# KiCad board spleeb.kicad_pcb (continued)
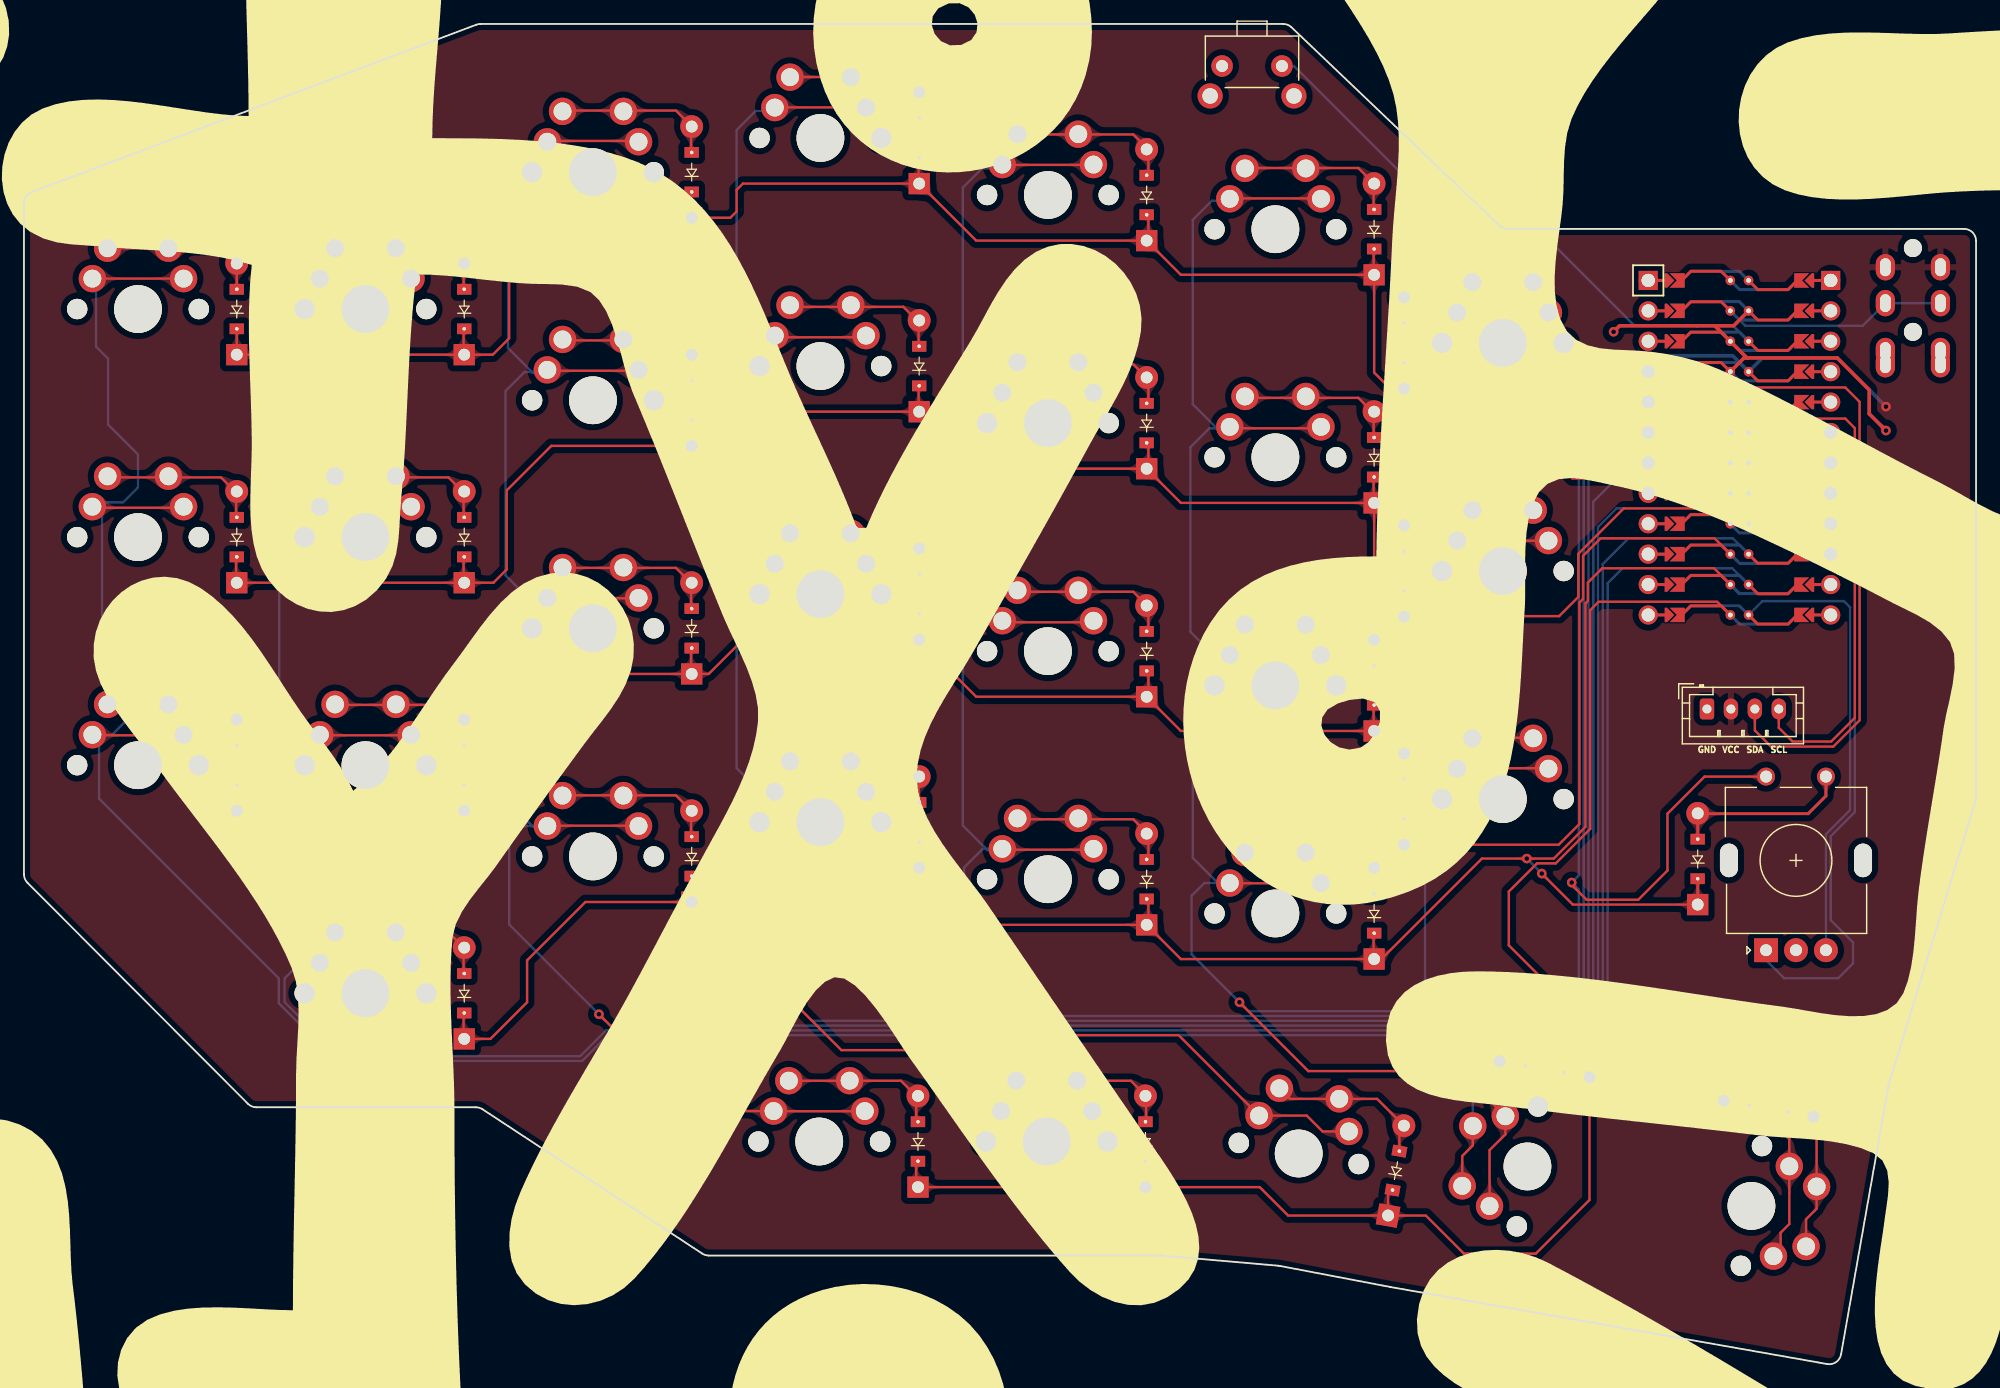
[diagram p0: board, top side]
## Copper pours and planes (outline as drawn; the poured copper is in the pictures) (continued)
outer_number on Top: 17.88,90.03 17.89,90.25 17.92,90.44 17.98,90.59 18.05,90.72 18.13,90.83 18.23,90.94 18.33,91.06 18.43,91.19 18.53,91.33 18.63,91.52 17.78,92.41 16.92,91.52 17.02,91.33 17.12,91.19 17.22,91.06 17.32,90.94 17.42,90.83 17.5,90.72 17.57,90.59 17.63,90.44 17.66,90.25 17.68,90.03
outer_top on Top: 16.34,73.96 16.54,73.94 16.68,73.87 16.76,73.76 16.8,73.62 16.81,73.46 16.81,73.27 16.81,73.08 16.81,72.87 16.85,72.67 16.91,72.47 18.15,72.58 17.78,73.83 17.6,73.84 17.45,73.87 17.32,73.9 17.2,73.95 17.09,74 16.97,74.05 16.85,74.09 16.71,74.13 16.54,74.15 16.34,74.16
outer_top on Top: 9.78,73.96 10.06,73.95 10.29,73.9 10.48,73.84 10.64,73.75 10.78,73.65 11.06,73.42 11.23,73.31 11.42,73.19 11.65,73.09 12.63,74.2 11.49,75.14 11.28,75 11.11,74.87 10.97,74.73 10.84,74.6 10.72,74.48 10.59,74.38 10.44,74.29 10.26,74.22 10.05,74.18 9.78,74.16
outer_top on Top: 14.3,74.16 14.04,74.18 13.83,74.22 13.66,74.29 13.51,74.38 13.39,74.49 13.27,74.6 13.15,74.73 13.01,74.87 12.85,75 12.65,75.14 11.5,74.2 12.48,73.08 12.7,73.19 12.89,73.3 13.05,73.42 13.32,73.64 13.46,73.75 13.62,73.83 13.8,73.9 14.02,73.95 14.3,73.96
outer_top on Top: 17.83,70.97 17.84,71.19 17.87,71.38 17.93,71.53 18,71.65 18.08,71.76 18.18,71.87 18.28,71.98 18.39,72.1 18.5,72.25 18.61,72.42 17.8,73.36 16.9,72.51 16.99,72.32 17.09,72.16 17.18,72.03 17.28,71.91 17.37,71.8 17.45,71.68 17.52,71.55 17.58,71.39 17.61,71.2 17.63,70.97
outer_top on Top: 9.22,74.16 8.96,74.18 8.75,74.22 8.58,74.29 8.43,74.38 8.31,74.49 8.19,74.6 8.07,74.73 7.93,74.87 7.77,75 7.57,75.14 6.42,74.2 7.4,73.08 7.62,73.19 7.81,73.3 7.97,73.42 8.24,73.64 8.38,73.75 8.54,73.83 8.72,73.9 8.94,73.95 9.22,73.96
pinky_bottom on Top: 33.3,36.16 33.03,36.18 32.81,36.22 32.64,36.29 32.49,36.38 32.35,36.48 32.23,36.6 32.09,36.72 31.95,36.84 31.77,36.97 31.55,37.08 30.49,36.05 31.57,35.03 31.78,35.15 31.96,35.27 32.11,35.4 32.24,35.52 32.36,35.64 32.49,35.74 32.64,35.83 32.82,35.9 33.03,35.95 33.3,35.96
pinky_bottom on Top: 36.83,32.89 36.84,33.11 36.87,33.29 36.93,33.44 37,33.56 37.09,33.67 37.18,33.78 37.29,33.89 37.39,34.01 37.5,34.15 37.61,34.32 36.8,35.26 35.9,34.41 35.99,34.22 36.08,34.07 36.18,33.94 36.28,33.82 36.37,33.71 36.45,33.59 36.52,33.46 36.58,33.3 36.61,33.12 36.63,32.89
pinky_bottom on Top: 28.22,36.16 27.95,36.18 27.73,36.22 27.56,36.29 27.41,36.38 27.27,36.48 27.15,36.6 27.01,36.72 26.87,36.84 26.69,36.97 26.47,37.08 25.41,36.05 26.49,35.03 26.7,35.15 26.88,35.27 27.03,35.4 27.16,35.52 27.28,35.64 27.41,35.74 27.56,35.83 27.74,35.9 27.95,35.95 28.22,35.96
pinky_bottom on Top: 28.77,35.96 29.05,35.95 29.27,35.9 29.45,35.83 29.6,35.75 29.74,35.64 29.87,35.53 30.01,35.4 30.16,35.28 30.34,35.15 30.56,35.03 31.64,36.05 30.58,37.08 30.35,36.96 30.17,36.84 30.02,36.71 29.88,36.59 29.75,36.48 29.61,36.37 29.45,36.29 29.27,36.22 29.05,36.18 28.77,36.16
pinky_bottom on Top: 35.39,35.96 35.59,35.94 35.72,35.87 35.8,35.76 35.84,35.62 35.84,35.45 35.83,35.26 35.82,35.06 35.81,34.85 35.83,34.65 35.88,34.44 37.12,34.45 36.78,35.73 36.6,35.75 36.45,35.78 36.33,35.83 36.22,35.88 36.11,35.95 36,36.01 35.89,36.07 35.75,36.12 35.59,36.15 35.39,36.16
pinky_col on Top: 26.95,52.62 26.68,52.64 26.47,52.68 26.3,52.75 26.15,52.84 26.02,52.94 25.9,53.06 25.77,53.19 25.63,53.32 25.46,53.45 25.25,53.57 24.14,52.58 25.18,51.51 25.4,51.63 25.58,51.75 25.73,51.87 25.86,51.99 25.99,52.1 26.13,52.2 26.28,52.29 26.46,52.36 26.68,52.41 26.95,52.42
pinky_col on Top: 30.04,52.42 30.32,52.41 30.54,52.36 30.73,52.29 30.89,52.21 31.03,52.11 31.16,51.99 31.3,51.87 31.46,51.75 31.65,51.63 31.87,51.52 32.91,52.58 31.8,53.57 31.59,53.44 31.41,53.31 31.26,53.18 31.13,53.06 31,52.94 30.87,52.84 30.71,52.75 30.53,52.68 30.31,52.64 30.04,52.62
pinky_col on Top: 30.04,90.62 30.31,90.61 30.53,90.56 30.71,90.49 30.86,90.41 30.99,90.3 31.12,90.18 31.25,90.06 31.4,89.92 31.57,89.79 31.78,89.66 32.91,90.63 31.89,91.71 31.66,91.6 31.47,91.49 31.31,91.36 31.17,91.25 31.04,91.13 30.89,91.03 30.73,90.95 30.55,90.88 30.32,90.84 30.04,90.82
pinky_col on Top: 26.95,90.82 26.68,90.84 26.46,90.88 26.27,90.95 26.12,91.04 25.98,91.14 25.72,91.37 25.56,91.49 25.38,91.61 25.16,91.72 24.14,90.63 25.27,89.66 25.47,89.79 25.64,89.92 25.78,90.05 25.91,90.18 26.03,90.3 26.16,90.4 26.3,90.49 26.47,90.56 26.69,90.61 26.95,90.62
pinky_col on Top: 26.95,33.62 26.68,33.64 26.46,33.68 26.29,33.75 26.14,33.84 26,33.94 25.88,34.06 25.74,34.18 25.6,34.3 25.42,34.43 25.2,34.54 24.14,33.51 25.22,32.49 25.43,32.61 25.61,32.73 25.76,32.86 25.89,32.98 26.01,33.1 26.14,33.2 26.29,33.29 26.47,33.36 26.68,33.41 26.95,33.42
pinky_col on Top: 26.95,71.62 26.69,71.64 26.48,71.68 26.31,71.75 26.16,71.84 26.04,71.95 25.92,72.06 25.8,72.19 25.66,72.33 25.5,72.46 25.3,72.6 24.15,71.66 25.13,70.54 25.35,70.65 25.54,70.76 25.7,70.88 25.97,71.1 26.11,71.21 26.27,71.29 26.45,71.36 26.67,71.41 26.95,71.42
pinky_col on Top: 30.04,33.42 30.32,33.41 30.54,33.36 30.72,33.29 30.87,33.21 31.01,33.1 31.14,32.99 31.28,32.86 31.43,32.74 31.61,32.61 31.83,32.49 32.91,33.51 31.85,34.54 31.62,34.42 31.44,34.3 31.29,34.17 31.15,34.05 31.02,33.94 30.88,33.83 30.72,33.75 30.54,33.68 30.32,33.64 30.04,33.62
pinky_col on Top: 30.05,71.42 30.33,71.41 30.56,71.36 30.75,71.3 30.91,71.21 31.05,71.11 31.33,70.88 31.5,70.77 31.69,70.65 31.92,70.55 32.9,71.66 31.76,72.6 31.55,72.46 31.38,72.33 31.24,72.19 31.11,72.06 30.99,71.94 30.86,71.84 30.71,71.75 30.53,71.68 30.32,71.64 30.05,71.62
pinky_col on Bottom: 22.84,52.04 23,52.17 23.14,52.22 23.28,52.22 23.41,52.16 23.54,52.06 23.68,51.95 23.82,51.82 23.97,51.69 24.14,51.57 24.33,51.49 25.28,52.62 23.91,53.37 23.76,53.22 23.63,53.1 23.12,52.6 23,52.49 22.86,52.35 22.7,52.18
pinky_col on Bottom: 22.69,34.16 22.87,33.97 23.02,33.81 23.14,33.66 23.24,33.53 23.41,33.28 23.51,33.15 23.62,33.02 23.75,32.87 23.91,32.7 25.28,33.55 24.14,34.5 23.99,34.41 23.85,34.32 23.72,34.24 23.6,34.17 23.47,34.12 23.35,34.09 23.23,34.08 23.1,34.12 22.97,34.19 22.83,34.3
pinky_col on Bottom: 22.68,32.99 22.85,33.12 23,33.18 23.14,33.19 23.28,33.15 23.42,33.07 23.56,32.96 23.71,32.84 23.86,32.71 24.03,32.59 24.22,32.48 25.29,33.51 23.91,34.32 23.75,34.16 23.61,34.04 23.48,33.93 23.36,33.84 23.13,33.66 23.01,33.56 22.87,33.44 22.72,33.3 22.54,33.13
pinky_col on Bottom: 22.66,70.96 22.85,71.11 23.02,71.18 23.18,71.19 23.34,71.14 23.5,71.05 23.66,70.93 23.83,70.81 24.02,70.68 24.23,70.58 24.45,70.5 25.27,71.74 23.91,72.42 23.74,72.25 23.6,72.12 23.47,72 23.35,71.89 23.12,71.69 23,71.57 22.86,71.44 22.7,71.29 22.52,71.1
pinky_col on Bottom: 22.84,89.94 23.02,90.08 23.18,90.15 23.34,90.15 23.49,90.1 23.64,90.01 23.79,89.9 23.96,89.79 24.14,89.68 24.33,89.58 24.55,89.53 25.26,90.83 23.91,91.47 23.75,91.31 23.62,91.17 23.51,91.04 23.42,90.92 23.24,90.69 23.13,90.56 23.02,90.42 22.87,90.26 22.7,90.08
pinky_col on Bottom: 22.83,71.92 22.98,71.77 23.11,71.64 23.21,71.53 23.56,71.16 23.66,71.05 23.77,70.94 23.91,70.8 25.26,71.78 23.93,72.44 23.83,72.34 23.74,72.24 23.64,72.15 23.55,72.07 23.46,72 23.37,71.95 23.28,71.92 23.18,71.93 23.08,71.98 22.97,72.06
pinky_col on Bottom: 22.65,52.9 22.82,52.74 22.96,52.6 23.09,52.49 23.2,52.39 23.41,52.21 23.51,52.12 23.63,52.02 23.76,51.9 23.91,51.75 25.27,52.69 24,53.46 23.87,53.35 23.63,53.13 23.52,53.03 23.4,52.95 23.29,52.89 23.17,52.87 23.05,52.88 22.93,52.93 22.8,53.04
pinky_home on Top: 36.83,51.92 36.84,52.14 36.87,52.33 36.93,52.48 37,52.6 37.08,52.71 37.18,52.82 37.28,52.93 37.39,53.05 37.5,53.2 37.61,53.37 36.8,54.31 35.9,53.46 35.99,53.27 36.09,53.11 36.18,52.98 36.28,52.86 36.37,52.75 36.45,52.63 36.52,52.5 36.58,52.34 36.61,52.15 36.63,51.92
pinky_home on Top: 28.77,54.96 29.05,54.95 29.27,54.9 29.46,54.83 29.62,54.75 29.76,54.65 29.89,54.53 30.03,54.41 30.19,54.29 30.38,54.17 30.6,54.06 31.64,55.12 30.53,56.11 30.32,55.98 30.14,55.85 29.99,55.72 29.86,55.6 29.73,55.48 29.6,55.38 29.44,55.29 29.26,55.22 29.04,55.18 28.77,55.16
pinky_home on Top: 35.35,54.96 35.55,54.94 35.69,54.87 35.77,54.76 35.81,54.62 35.82,54.46 35.82,54.27 35.81,54.07 35.81,53.87 35.84,53.66 35.9,53.46 37.13,53.52 36.78,54.78 36.6,54.79 36.45,54.82 36.32,54.87 36.2,54.92 36.09,54.97 35.98,55.03 35.86,55.08 35.72,55.12 35.55,55.15 35.35,55.16
pinky_home on Top: 33.3,55.16 33.03,55.18 32.82,55.22 32.65,55.29 32.5,55.38 32.37,55.48 32.25,55.6 32.12,55.73 31.98,55.86 31.81,55.99 31.6,56.11 30.49,55.12 31.53,54.05 31.75,54.17 31.93,54.29 32.08,54.41 32.21,54.53 32.34,54.64 32.48,54.74 32.63,54.83 32.81,54.9 33.03,54.95 33.3,54.96
pinky_home on Top: 28.22,55.16 27.95,55.18 27.74,55.22 27.57,55.29 27.42,55.38 27.29,55.48 27.17,55.6 27.04,55.73 26.9,55.86 26.73,55.99 26.52,56.11 25.41,55.12 26.45,54.05 26.67,54.17 26.85,54.29 27,54.41 27.13,54.53 27.26,54.64 27.4,54.74 27.55,54.83 27.73,54.9 27.95,54.95 28.22,54.96
pinky_number on Top: 33.3,93.36 33.03,93.38 32.81,93.42 32.62,93.49 32.47,93.58 32.33,93.68 32.07,93.91 31.91,94.03 31.73,94.15 31.51,94.26 30.49,93.17 31.62,92.2 31.82,92.33 31.99,92.46 32.13,92.59 32.26,92.72 32.38,92.84 32.51,92.94 32.65,93.03 32.82,93.1 33.04,93.15 33.3,93.16
pinky_number on Top: 28.22,93.36 27.95,93.38 27.73,93.42 27.54,93.49 27.39,93.58 27.25,93.68 26.99,93.91 26.83,94.03 26.65,94.15 26.43,94.26 25.41,93.17 26.54,92.2 26.74,92.33 26.91,92.46 27.05,92.59 27.18,92.72 27.3,92.84 27.43,92.94 27.57,93.03 27.74,93.1 27.96,93.15 28.22,93.16
pinky_number on Top: 36.83,90.09 36.84,90.3 36.87,90.48 36.93,90.62 37,90.74 37.09,90.84 37.18,90.95 37.29,91.05 37.39,91.16 37.5,91.3 37.61,91.47 36.8,92.41 35.9,91.56 35.98,91.38 36.08,91.23 36.18,91.1 36.37,90.88 36.45,90.77 36.52,90.64 36.58,90.49 36.61,90.31 36.63,90.09
pinky_number on Top: 35.42,93.16 35.62,93.14 35.75,93.07 35.83,92.96 35.86,92.81 35.86,92.65 35.84,92.46 35.83,92.25 35.81,92.04 35.83,91.83 35.87,91.63 37.11,91.59 36.78,92.88 36.6,92.9 36.46,92.93 36.34,92.99 36.23,93.05 36.13,93.12 36.02,93.19 35.91,93.26 35.77,93.31 35.61,93.35 35.42,93.36
pinky_number on Top: 28.77,93.16 29.04,93.15 29.26,93.1 29.44,93.03 29.59,92.95 29.72,92.84 29.85,92.72 29.98,92.6 30.13,92.46 30.3,92.33 30.51,92.2 31.64,93.17 30.62,94.25 30.39,94.14 30.2,94.03 30.04,93.9 29.9,93.79 29.77,93.67 29.62,93.57 29.46,93.49 29.28,93.42 29.05,93.38 28.77,93.36
pinky_top on Top: 36.83,70.97 36.84,71.19 36.87,71.38 36.93,71.53 37,71.65 37.08,71.76 37.18,71.87 37.28,71.98 37.39,72.1 37.5,72.25 37.61,72.42 36.8,73.36 35.9,72.51 35.99,72.32 36.09,72.16 36.18,72.03 36.28,71.91 36.37,71.8 36.45,71.68 36.52,71.55 36.58,71.39 36.61,71.2 36.63,70.97
pinky_top on Top: 33.3,74.16 33.04,74.18 32.83,74.22 32.66,74.29 32.51,74.38 32.39,74.49 32.27,74.6 32.15,74.73 32.01,74.87 31.85,75 31.65,75.14 30.5,74.2 31.48,73.08 31.7,73.19 31.89,73.3 32.05,73.42 32.32,73.64 32.46,73.75 32.62,73.83 32.8,73.9 33.02,73.95 33.3,73.96
pinky_top on Top: 28.22,74.16 27.96,74.18 27.75,74.22 27.58,74.29 27.43,74.38 27.31,74.49 27.19,74.6 27.07,74.73 26.93,74.87 26.77,75 26.57,75.14 25.42,74.2 26.4,73.08 26.62,73.19 26.81,73.3 26.97,73.42 27.24,73.64 27.38,73.75 27.54,73.83 27.72,73.9 27.94,73.95 28.22,73.96
pinky_top on Top: 28.78,73.96 29.06,73.95 29.29,73.9 29.48,73.84 29.64,73.75 29.78,73.65 30.06,73.42 30.23,73.31 30.42,73.19 30.65,73.09 31.63,74.2 30.49,75.14 30.28,75 30.11,74.87 29.97,74.73 29.84,74.6 29.72,74.48 29.59,74.38 29.44,74.29 29.26,74.22 29.05,74.18 28.78,74.16
pinky_top on Top: 35.34,73.96 35.54,73.94 35.68,73.87 35.76,73.76 35.8,73.62 35.81,73.46 35.81,73.27 35.81,73.08 35.81,72.87 35.85,72.67 35.91,72.47 37.15,72.58 36.78,73.83 36.6,73.84 36.45,73.87 36.32,73.9 36.2,73.95 36.09,74 35.97,74.05 35.85,74.09 35.71,74.13 35.54,74.15 35.34,74.16
ring_bottom on Top: 55.83,44.33 55.84,44.55 55.87,44.73 55.93,44.87 56,45 56.09,45.11 56.18,45.21 56.29,45.32 56.39,45.44 56.5,45.58 56.61,45.75 55.8,46.69 54.9,45.84 54.99,45.66 55.08,45.5 55.18,45.37 55.28,45.25 55.37,45.14 55.45,45.03 55.52,44.9 55.58,44.74 55.61,44.56 55.63,44.33
ring_bottom on Top: 47.77,47.4 48.04,47.39 48.27,47.34 48.45,47.27 48.6,47.19 48.74,47.08 48.87,46.97 49,46.84 49.15,46.71 49.33,46.59 49.55,46.46 50.64,47.47 49.58,48.52 49.36,48.4 49.18,48.28 49.02,48.15 48.88,48.03 48.75,47.92 48.61,47.81 48.46,47.73 48.27,47.66 48.05,47.62 47.77,47.6
ring_bottom on Top: 52.3,47.6 52.03,47.62 51.81,47.66 51.63,47.73 51.48,47.82 51.35,47.92 51.22,48.04 51.09,48.16 50.94,48.28 50.76,48.4 50.54,48.52 49.49,47.47 50.58,46.46 50.79,46.58 50.96,46.71 51.11,46.84 51.24,46.96 51.36,47.08 51.5,47.18 51.64,47.27 51.82,47.34 52.03,47.39 52.3,47.4
ring_bottom on Top: 54.39,47.4 54.59,47.38 54.72,47.31 54.8,47.2 54.84,47.06 54.84,46.89 54.83,46.7 54.82,46.5 54.81,46.29 54.83,46.08 54.88,45.88 56.12,45.88 55.78,47.16 55.6,47.18 55.45,47.21 55.33,47.26 55.22,47.32 55.11,47.38 55,47.45 54.89,47.51 54.75,47.56 54.59,47.59 54.39,47.6
ring_bottom on Top: 47.22,47.6 46.95,47.62 46.73,47.66 46.55,47.73 46.4,47.82 46.27,47.92 46.14,48.04 46.01,48.16 45.86,48.28 45.68,48.4 45.46,48.52 44.41,47.47 45.5,46.46 45.71,46.58 45.88,46.71 46.03,46.84 46.16,46.96 46.28,47.08 46.42,47.18 46.56,47.27 46.74,47.34 46.95,47.39 47.22,47.4
ring_col on Top: 49.04,44.86 49.31,44.85 49.54,44.8 49.72,44.73 49.87,44.65 50.01,44.54 50.14,44.43 50.27,44.3 50.42,44.17 50.6,44.05 50.82,43.92 51.91,44.93 50.85,45.98 50.63,45.86 50.45,45.74 50.29,45.61 50.15,45.49 50.02,45.38 49.88,45.27 49.73,45.19 49.54,45.12 49.32,45.08 49.04,45.06
ring_col on Top: 64.75,21.22 64.49,21.24 64.29,21.28 64.12,21.35 63.99,21.44 63.86,21.55 63.75,21.67 63.63,21.79 63.49,21.91 63.32,22.04 63.12,22.15 62.04,21.13 63.11,20.1 63.31,20.21 63.48,20.33 63.62,20.45 63.74,20.58 63.86,20.69 63.98,20.8 64.12,20.89 64.29,20.96 64.49,21 64.75,21.02
ring_col on Top: 49.04,63.86 49.32,63.85 49.54,63.8 49.73,63.73 49.89,63.65 50.02,63.55 50.16,63.43 50.3,63.31 50.45,63.19 50.64,63.07 50.86,62.95 51.91,64.01 50.81,65.01 50.59,64.88 50.42,64.75 50.27,64.62 50.13,64.5 50,64.38 49.87,64.28 49.72,64.19 49.53,64.12 49.31,64.08 49.04,64.06
ring_col on Top: 49.04,82.86 49.32,82.85 49.55,82.8 49.74,82.74 49.9,82.65 50.04,82.55 50.18,82.44 50.32,82.32 50.49,82.2 50.68,82.09 50.91,81.98 51.91,83.08 50.77,84.03 50.56,83.9 50.39,83.76 50.24,83.63 50.11,83.5 49.99,83.38 49.86,83.28 49.71,83.19 49.53,83.12 49.31,83.08 49.04,83.06
ring_col on Top: 49.04,102.06 49.31,102.05 49.53,102 49.71,101.93 49.86,101.85 49.99,101.74 50.12,101.62 50.25,101.49 50.39,101.36 50.57,101.23 50.78,101.09 51.91,102.06 50.9,103.15 50.67,103.04 50.48,102.92 50.32,102.8 50.18,102.69 50.04,102.57 49.9,102.47 49.74,102.39 49.55,102.32 49.32,102.28 49.04,102.26
ring_col on Top: 67.94,21.02 68.22,21.01 68.44,20.96 68.62,20.89 68.78,20.81 68.92,20.7 69.05,20.59 69.19,20.47 69.34,20.34 69.52,20.22 69.74,20.1 70.81,21.13 69.73,22.15 69.51,22.03 69.33,21.9 69.18,21.78 69.04,21.65 68.91,21.54 68.78,21.44 68.62,21.35 68.44,21.28 68.22,21.24 67.94,21.22
ring_col on Top: 45.95,45.06 45.68,45.08 45.46,45.12 45.28,45.19 45.13,45.28 45,45.38 44.87,45.5 44.74,45.62 44.59,45.74 44.41,45.86 44.19,45.98 43.14,44.93 44.23,43.92 44.44,44.04 44.61,44.17 44.76,44.3 44.89,44.42 45.01,44.54 45.15,44.64 45.29,44.73 45.47,44.8 45.68,44.85 45.95,44.86
ring_col on Top: 45.95,64.06 45.68,64.08 45.47,64.12 45.29,64.19 45.15,64.28 45.02,64.38 44.89,64.5 44.77,64.63 44.62,64.75 44.45,64.88 44.24,65.01 43.14,64.01 44.18,62.95 44.4,63.06 44.58,63.18 44.73,63.31 44.87,63.43 45,63.54 45.13,63.64 45.28,63.73 45.46,63.8 45.68,63.85 45.95,63.86
ring_col on Top: 45.95,83.06 45.69,83.08 45.48,83.12 45.31,83.19 45.16,83.28 45.03,83.39 44.92,83.5 44.79,83.63 44.65,83.77 44.49,83.9 44.29,84.03 43.15,83.08 44.14,81.98 44.36,82.08 44.55,82.2 44.71,82.32 44.98,82.54 45.12,82.65 45.27,82.73 45.45,82.8 45.67,82.85 45.95,82.86
ring_col on Top: 45.95,102.26 45.68,102.28 45.45,102.32 45.27,102.39 45.12,102.48 44.98,102.58 44.71,102.81 44.56,102.93 44.37,103.04 44.15,103.15 43.14,102.05 44.28,101.1 44.48,101.23 44.65,101.36 44.79,101.49 44.91,101.62 45.03,101.74 45.16,101.84 45.3,101.93 45.48,102 45.69,102.05 45.95,102.06
ring_col on Top: 60.33,21.03 60.6,21.01 60.83,20.97 61.01,20.9 61.16,20.81 61.3,20.71 61.43,20.6 61.57,20.47 61.72,20.35 61.9,20.22 62.12,20.1 63.19,21.13 62.12,22.16 61.9,22.04 61.72,21.91 61.57,21.78 61.43,21.66 61.3,21.55 61.16,21.44 61.01,21.36 60.83,21.29 60.6,21.24 60.33,21.23
ring_col on Bottom: 41.73,45.52 41.91,45.34 42.05,45.18 42.16,45.05 42.26,44.92 42.43,44.68 42.52,44.56 42.63,44.44 42.75,44.29 42.91,44.13 44.29,44.96 43.19,45.95 43.03,45.87 42.89,45.77 42.76,45.68 42.63,45.6 42.51,45.53 42.39,45.48 42.27,45.46 42.14,45.48 42.01,45.55 41.87,45.66
ring_col on Bottom: 41.62,64.34 41.79,64.17 41.93,64.03 42.06,63.92 42.18,63.82 42.39,63.65 42.5,63.56 42.62,63.45 42.75,63.33 42.91,63.18 44.28,64.08 43.06,64.93 42.92,64.82 42.78,64.7 42.65,64.58 42.53,64.48 42.4,64.39 42.28,64.33 42.16,64.29 42.03,64.3 41.9,64.36 41.76,64.48
ring_col on Bottom: 41.74,63.54 41.9,63.67 42.05,63.73 42.19,63.72 42.33,63.67 42.46,63.57 42.6,63.45 42.74,63.32 42.89,63.18 43.06,63.05 43.25,62.95 44.29,64.01 42.91,64.8 42.75,64.65 42.62,64.53 42.5,64.43 42.39,64.35 42.16,64.18 42.04,64.09 41.91,63.98 41.77,63.85 41.6,63.68
ring_col on Bottom: 41.62,82.53 41.81,82.68 41.98,82.74 42.14,82.74 42.3,82.67 42.45,82.57 42.61,82.44 42.78,82.3 42.96,82.16 43.16,82.04 43.38,81.95 44.28,83.13 42.91,83.85 42.74,83.69 42.6,83.57 42.47,83.46 42.34,83.37 42.1,83.2 41.97,83.1 41.82,82.99 41.66,82.84 41.48,82.67
ring_col on Bottom: 41.73,83.42 41.9,83.26 42.76,82.38 42.91,82.23 44.27,83.16 43.01,83.94 42.88,83.84 42.66,83.63 42.55,83.54 42.44,83.47 42.34,83.42 42.23,83.4 42.11,83.41 42,83.46 41.87,83.56
ring_col on Bottom: 41.74,101.44 41.92,101.59 42.08,101.65 42.24,101.65 42.39,101.6 42.54,101.51 42.7,101.4 42.86,101.28 43.04,101.16 43.23,101.05 43.45,100.98 44.27,102.21 42.91,102.9 41.6,101.58
ring_col on Bottom: 41.54,44.75 41.73,44.9 41.9,44.95 42.05,44.93 42.2,44.85 42.35,44.72 42.49,44.56 42.65,44.38 42.82,44.2 43.01,44.04 43.22,43.91 44.29,44.94 42.91,45.75 42.75,45.61 42.6,45.51 42.46,45.44 42.32,45.39 42.18,45.35 42.04,45.3 41.89,45.25 41.74,45.17 41.58,45.05 41.4,44.89
ring_home on Top: 54.36,66.4 54.56,66.38 54.7,66.31 54.78,66.2 54.81,66.06 54.82,65.89 54.82,65.71 54.81,65.51 54.81,65.3 54.84,65.1 54.9,64.9 56.13,64.94 55.78,66.21 55.6,66.22 55.45,66.25 55.32,66.3 55.21,66.35 55.1,66.41 54.99,66.46 54.87,66.52 54.73,66.56 54.56,66.59 54.36,66.6
ring_home on Top: 52.3,66.6 52.03,66.62 51.82,66.66 51.64,66.73 51.5,66.82 51.37,66.92 51.24,67.04 51.12,67.17 50.97,67.29 50.8,67.42 50.59,67.55 49.49,66.55 50.53,65.49 50.75,65.6 50.93,65.72 51.08,65.85 51.22,65.97 51.35,66.08 51.48,66.18 51.63,66.27 51.81,66.34 52.03,66.39 52.3,66.4
ring_home on Top: 47.77,66.4 48.05,66.39 48.27,66.34 48.46,66.27 48.62,66.19 48.75,66.09 48.89,65.97 49.03,65.85 49.18,65.73 49.37,65.61 49.59,65.49 50.64,66.55 49.54,67.55 49.32,67.42 49.15,67.29 49,67.16 48.86,67.04 48.73,66.92 48.6,66.82 48.45,66.73 48.26,66.66 48.04,66.62 47.77,66.6
ring_home on Top: 47.22,66.6 46.95,66.62 46.74,66.66 46.56,66.73 46.42,66.82 46.29,66.92 46.16,67.04 46.04,67.17 45.89,67.29 45.72,67.42 45.51,67.55 44.41,66.55 45.45,65.49 45.67,65.6 45.85,65.72 46,65.85 46.14,65.97 46.27,66.08 46.4,66.18 46.55,66.27 46.73,66.34 46.95,66.39 47.22,66.4
ring_home on Top: 55.83,63.35 55.84,63.57 55.87,63.76 55.93,63.91 56,64.03 56.08,64.14 56.18,64.25 56.28,64.36 56.39,64.48 56.5,64.63 56.61,64.8 55.8,65.74 54.9,64.89 54.99,64.7 55.09,64.54 55.18,64.41 55.28,64.29 55.37,64.18 55.45,64.06 55.52,63.93 55.58,63.77 55.61,63.58 55.63,63.35
ring_number on Top: 55.83,101.53 55.84,101.74 55.87,101.91 55.93,102.06 56,102.17 56.09,102.28 56.18,102.38 56.29,102.48 56.4,102.6 56.5,102.73 56.61,102.9 55.8,103.84 54.9,103 54.98,102.81 55.08,102.66 55.18,102.54 55.37,102.32 55.45,102.21 55.52,102.08 55.58,101.93 55.61,101.75 55.63,101.53
ring_number on Top: 52.3,104.8 52.03,104.82 51.8,104.86 51.62,104.93 51.47,105.02 51.33,105.12 51.06,105.35 50.91,105.47 50.72,105.58 50.5,105.69 49.49,104.59 50.63,103.64 50.83,103.77 51,103.9 51.14,104.03 51.26,104.16 51.38,104.28 51.51,104.38 51.65,104.47 51.83,104.54 52.04,104.59 52.3,104.6
ring_number on Top: 47.77,104.6 48.04,104.59 48.26,104.54 48.44,104.47 48.59,104.39 48.72,104.28 48.85,104.16 48.98,104.03 49.12,103.9 49.3,103.77 49.51,103.63 50.64,104.6 49.63,105.69 49.4,105.58 49.21,105.46 49.05,105.34 48.91,105.23 48.77,105.11 48.63,105.01 48.47,104.93 48.28,104.86 48.05,104.82 47.77,104.8
ring_number on Top: 54.43,104.6 54.63,104.58 54.76,104.51 54.83,104.4 54.87,104.25 54.87,104.08 54.85,103.9 54.83,103.69 54.82,103.48 54.83,103.27 54.87,103.06 56.11,103.02 55.78,104.31 55.6,104.33 55.46,104.36 55.34,104.42 55.23,104.49 55.13,104.56 55.03,104.63 54.91,104.7 54.78,104.75 54.62,104.79 54.43,104.8
ring_number on Top: 47.22,104.8 46.95,104.82 46.72,104.86 46.54,104.93 46.39,105.02 46.25,105.12 45.98,105.35 45.83,105.47 45.64,105.58 45.42,105.69 44.41,104.59 45.55,103.64 45.75,103.77 45.92,103.9 46.06,104.03 46.18,104.16 46.3,104.28 46.43,104.38 46.57,104.47 46.75,104.54 46.96,104.59 47.22,104.6
ring_top on Top: 52.3,85.6 52.04,85.62 51.83,85.66 51.66,85.73 51.51,85.82 51.38,85.93 51.27,86.04 51.14,86.17 51,86.31 50.84,86.44 50.64,86.57 49.5,85.62 50.49,84.52 50.71,84.62 50.9,84.74 51.06,84.86 51.33,85.08 51.47,85.19 51.62,85.27 51.8,85.34 52.02,85.39 52.3,85.4
ring_top on Top: 54.34,85.4 54.54,85.38 54.68,85.31 54.76,85.2 54.8,85.06 54.81,84.9 54.81,84.71 54.81,84.52 54.81,84.31 54.84,84.11 54.91,83.91 56.14,84.01 55.78,85.26 55.6,85.27 55.44,85.3 55.32,85.34 55.2,85.38 55.09,85.43 54.97,85.48 54.85,85.53 54.71,85.57 54.54,85.59 54.34,85.6
ring_top on Top: 47.22,85.6 46.96,85.62 46.75,85.66 46.58,85.73 46.43,85.82 46.3,85.93 46.19,86.04 46.06,86.17 45.92,86.31 45.76,86.44 45.56,86.57 44.42,85.62 45.41,84.52 45.63,84.62 45.82,84.74 45.98,84.86 46.25,85.08 46.39,85.19 46.54,85.27 46.72,85.34 46.94,85.39 47.22,85.4
ring_top on Top: 47.77,85.4 48.05,85.39 48.28,85.34 48.47,85.28 48.63,85.19 48.77,85.09 48.91,84.98 49.05,84.86 49.22,84.74 49.41,84.63 49.64,84.52 50.64,85.62 49.5,86.57 49.29,86.44 49.12,86.3 48.97,86.17 48.84,86.04 48.72,85.92 48.59,85.82 48.44,85.73 48.26,85.66 48.04,85.62 47.77,85.6
ring_top on Top: 55.83,82.4 55.84,82.62 55.87,82.81 55.93,82.96 56,83.08 56.08,83.19 56.18,83.3 56.28,83.41 56.39,83.53 56.5,83.68 56.61,83.85 55.8,84.79 54.9,83.94 54.99,83.75 55.09,83.59 55.18,83.46 55.28,83.34 55.37,83.23 55.45,83.11 55.52,82.98 55.58,82.82 55.61,82.63 55.63,82.4
rot_left on Bottom: 146.44,32.94 146.32,33.08 146.25,33.21 146.21,33.33 146.2,33.45 146.21,33.58 146.25,33.7 146.3,33.83 146.35,33.97 146.41,34.12 146.47,34.28 145.43,35.06 144.8,33.86 144.97,33.71 145.12,33.59 145.26,33.5 145.39,33.43 145.53,33.36 145.66,33.29 145.8,33.21 145.95,33.11 146.12,32.97 146.3,32.8
rot_right on Bottom: 150.41,36.56 150.4,36.32 150.36,36.13 150.3,35.97 150.23,35.84 150.14,35.72 150.04,35.6 149.93,35.48 149.82,35.35 149.71,35.19 149.61,35 150.51,34.07 151.41,35 151.31,35.19 151.2,35.35 151.09,35.48 150.98,35.6 150.88,35.72 150.79,35.84 150.72,35.97 150.66,36.13 150.62,36.32 150.61,36.56
RST on Bottom: 106.71,107.93 106.57,108.07 106.45,108.2 106.35,108.32 106.27,108.42 106.11,108.61 106.04,108.71 105.95,108.81 105.84,108.93 105.71,109.06 104.63,108.42 105.47,107.61 105.6,107.68 105.72,107.75 105.83,107.82 105.93,107.88 106.04,107.93 106.14,107.96 106.24,107.96 106.35,107.94 106.46,107.88 106.57,107.78
SCL on Top: 146.68,53.52 146.68,53.66 146.7,53.78 146.73,53.87 146.77,53.96 146.82,54.03 146.87,54.1 146.93,54.17 146.99,54.25 147.05,54.34 147.12,54.45 146.58,55.01 146.04,54.45 146.1,54.34 146.16,54.25 146.22,54.17 146.28,54.1 146.33,54.03 146.38,53.96 146.42,53.87 146.45,53.78 146.47,53.66 146.48,53.52
SDA on Top: 144.68,53.52 144.68,53.66 144.7,53.78 144.73,53.87 144.77,53.96 144.82,54.03 144.87,54.1 144.93,54.17 144.99,54.25 145.05,54.34 145.12,54.45 144.58,55.01 144.04,54.45 144.1,54.34 144.16,54.25 144.22,54.17 144.28,54.1 144.33,54.03 144.38,53.96 144.42,53.87 144.45,53.78 144.47,53.66 144.48,53.52
serial on Bottom: 154.42,87.42 154.56,87.54 154.69,87.63 154.81,87.69 154.93,87.73 155.05,87.75 155.16,87.76 155.29,87.77 155.42,87.78 155.57,87.81 155.74,87.86 155.76,88.9 154.72,88.88 154.67,88.71 154.64,88.56 154.63,88.43 154.62,88.3 154.61,88.18 154.59,88.07 154.55,87.95 154.49,87.83 154.41,87.7 154.28,87.56
serial on Bottom: 158.49,88.51 158.67,88.5 158.83,88.47 158.95,88.43 159.06,88.37 159.16,88.3 159.25,88.23 159.35,88.15 159.45,88.06 159.58,87.98 159.73,87.89 160.48,88.61 159.73,89.33 159.58,89.25 159.45,89.17 159.35,89.08 159.25,89 159.16,88.92 159.06,88.85 158.95,88.8 158.83,88.75 158.67,88.72 158.49,88.71
serial on Bottom: 157.07,88.71 156.88,88.72 156.72,88.75 156.6,88.8 156.49,88.85 156.39,88.92 156.3,89 156.2,89.08 156.1,89.17 155.97,89.25 155.82,89.33 155.08,88.61 155.82,87.89 155.97,87.98 156.1,88.06 156.2,88.15 156.3,88.23 156.39,88.3 156.49,88.37 156.6,88.43 156.72,88.47 156.88,88.5 157.07,88.51
top_row on Top: 55.63,78.38 55.61,78.18 55.58,78.01 55.53,77.87 55.46,77.76 55.38,77.65 55.21,77.45 55.12,77.33 55.03,77.2 54.95,77.03 55.8,76.25 56.55,77.13 56.45,77.28 56.35,77.4 56.25,77.51 56.16,77.6 56.07,77.69 55.99,77.79 55.92,77.9 55.87,78.03 55.84,78.18 55.83,78.38
top_row on Top: 54.01,76.59 54.22,76.58 54.39,76.55 54.53,76.5 54.65,76.43 54.76,76.35 54.86,76.27 54.96,76.17 55.08,76.08 55.22,75.98 55.39,75.89 56.22,76.69 55.39,77.49 55.22,77.4 55.08,77.3 54.96,77.21 54.86,77.12 54.76,77.03 54.65,76.95 54.53,76.89 54.39,76.84 54.22,76.8 54.01,76.79
top_row on Top: 112.63,73.58 112.61,73.38 112.58,73.22 112.53,73.08 112.46,72.97 112.38,72.87 112.21,72.68 112.12,72.56 112.03,72.43 111.95,72.26 112.8,71.48 113.55,72.37 113.45,72.51 113.35,72.64 113.26,72.74 113.16,72.83 113.07,72.91 112.99,73.01 112.92,73.11 112.87,73.24 112.84,73.39 112.83,73.58
top_row on Top: 17.63,66.94 17.61,66.74 17.58,66.57 17.53,66.44 17.46,66.32 17.38,66.22 17.21,66.02 17.12,65.9 17.03,65.76 16.95,65.6 17.8,64.82 18.55,65.7 18.45,65.85 18.35,65.97 18.25,66.08 18.16,66.17 18.07,66.26 17.99,66.35 17.92,66.46 17.87,66.59 17.84,66.75 17.83,66.94
top_row on Top: 19.54,65.36 19.33,65.37 19.16,65.41 19.02,65.46 18.9,65.52 18.79,65.6 18.69,65.69 18.59,65.78 18.47,65.87 18.33,65.97 18.16,66.06 17.33,65.26 18.16,64.46 18.33,64.55 18.47,64.65 18.59,64.74 18.69,64.84 18.79,64.92 18.9,65 19.02,65.07 19.16,65.12 19.33,65.15 19.54,65.16
top_row on Top: 113.67,62.94 113.81,62.79 113.93,62.66 114.02,62.55 114.1,62.44 114.25,62.25 114.33,62.15 114.41,62.05 114.52,61.93 114.65,61.8 115.72,62.43 114.89,63.23 114.76,63.16 114.64,63.1 114.54,63.03 114.43,62.97 114.33,62.93 114.23,62.91 114.13,62.9 114.03,62.93 113.92,62.98 113.81,63.08
top_row on Top: 74.63,81.18 74.61,80.98 74.58,80.82 74.53,80.69 74.46,80.58 74.38,80.48 74.2,80.29 74.11,80.18 74.03,80.04 73.95,79.88 74.8,79.11 75.55,79.99 75.45,80.13 75.35,80.25 75.26,80.35 75.16,80.44 75.07,80.52 74.99,80.61 74.92,80.72 74.87,80.84 74.84,80.99 74.83,81.18
top_row on Top: 115.18,64.19 115.16,63.98 115.13,63.81 115.08,63.67 115.01,63.55 114.94,63.44 114.85,63.34 114.76,63.24 114.66,63.12 114.57,62.98 114.47,62.82 115.28,61.98 116.08,62.82 115.98,62.98 115.89,63.12 115.79,63.24 115.7,63.34 115.61,63.44 115.54,63.55 115.47,63.67 115.42,63.81 115.39,63.98 115.38,64.19
top_row on Top: 35.01,65.16 35.22,65.15 35.39,65.12 35.53,65.07 35.65,65 35.76,64.92 35.86,64.84 35.96,64.74 36.08,64.65 36.22,64.55 36.39,64.46 37.22,65.26 36.39,66.06 36.22,65.97 36.08,65.87 35.96,65.78 35.86,65.69 35.76,65.6 35.65,65.52 35.53,65.46 35.39,65.41 35.22,65.37 35.01,65.36
top_row on Top: 38.54,65.36 38.33,65.37 38.16,65.41 38.02,65.46 37.9,65.52 37.79,65.6 37.69,65.69 37.59,65.78 37.47,65.87 37.33,65.97 37.16,66.06 36.33,65.26 37.16,64.46 37.33,64.55 37.47,64.65 37.59,64.74 37.69,64.84 37.79,64.92 37.9,65 38.02,65.07 38.16,65.12 38.33,65.15 38.54,65.16
top_row on Top: 57.54,76.79 57.33,76.8 57.16,76.84 57.02,76.89 56.9,76.95 56.79,77.03 56.69,77.12 56.59,77.21 56.47,77.3 56.33,77.4 56.16,77.49 55.33,76.69 56.16,75.89 56.33,75.98 56.47,76.08 56.59,76.17 56.69,76.27 56.79,76.35 56.9,76.43 57.02,76.5 57.16,76.55 57.33,76.58 57.54,76.59
top_row on Top: 95.1,73.61 94.96,73.76 94.86,73.91 94.79,74.04 94.76,74.17 94.73,74.3 94.72,74.44 94.71,74.58 94.7,74.73 94.67,74.89 94.61,75.08 93.46,75.1 93.48,73.95 93.67,73.89 93.83,73.86 93.98,73.85 94.12,73.84 94.26,73.83 94.39,73.81 94.52,73.77 94.65,73.7 94.8,73.6 94.96,73.46
top_row on Top: 117.04,62.57 116.83,62.58 116.66,62.61 116.52,62.66 116.4,62.72 116.29,62.79 116.19,62.87 116.08,62.96 115.97,63.05 115.83,63.14 115.66,63.23 114.83,62.43 115.66,61.63 115.83,61.72 115.97,61.82 116.09,61.92 116.19,62.02 116.29,62.11 116.4,62.2 116.51,62.27 116.65,62.32 116.83,62.36 117.04,62.37
top_row on Top: 111.01,71.83 111.22,71.82 111.39,71.78 111.53,71.73 111.65,71.67 111.76,71.59 111.86,71.5 111.96,71.41 112.08,71.32 112.22,71.22 112.39,71.13 113.22,71.93 112.39,72.73 112.22,72.64 112.08,72.54 111.96,72.45 111.86,72.35 111.76,72.27 111.65,72.19 111.53,72.12 111.39,72.07 111.22,72.04 111.01,72.03
top_row on Top: 112.88,70.16 112.89,70.37 112.92,70.54 112.97,70.68 113.04,70.8 113.11,70.91 113.2,71.01 113.29,71.12 113.39,71.23 113.48,71.37 113.58,71.54 112.78,72.37 111.97,71.54 112.07,71.37 112.16,71.23 112.26,71.12 112.35,71.01 112.44,70.91 112.51,70.8 112.58,70.68 112.63,70.54 112.66,70.37 112.68,70.16
top_row on Top: 93.83,76.38 93.81,76.21 93.78,76.07 93.73,75.95 93.66,75.86 93.58,75.78 93.49,75.71 93.39,75.64 93.29,75.55 93.18,75.45 93.07,75.33 93.68,74.35 94.64,75 94.58,75.18 94.51,75.32 94.44,75.44 94.35,75.55 94.27,75.65 94.19,75.75 94.13,75.87 94.07,76.01 94.04,76.18 94.03,76.38
top_row on Top: 76.1,78.37 75.96,78.53 75.86,78.67 75.79,78.81 75.76,78.94 75.73,79.07 75.72,79.2 75.71,79.34 75.7,79.49 75.67,79.66 75.61,79.84 74.46,79.86 74.48,78.71 74.67,78.66 74.83,78.62 74.98,78.61 75.12,78.6 75.26,78.59 75.39,78.57 75.52,78.53 75.65,78.47 75.8,78.37 75.96,78.23
top_row on Top: 92.01,74.69 92.22,74.67 92.39,74.64 92.53,74.59 92.65,74.53 92.76,74.45 92.86,74.36 92.96,74.27 93.08,74.17 93.22,74.08 93.39,73.99 94.22,74.79 93.39,75.59 93.22,75.49 93.08,75.4 92.96,75.3 92.86,75.21 92.76,75.12 92.65,75.05 92.53,74.98 92.39,74.93 92.22,74.9 92.01,74.89
top_row on Top: 73.01,79.45 73.22,79.44 73.39,79.4 73.53,79.35 73.65,79.29 73.76,79.21 73.86,79.12 73.96,79.03 74.08,78.94 74.22,78.84 74.39,78.75 75.22,79.55 74.39,80.35 74.22,80.26 74.08,80.16 73.96,80.07 73.86,79.97 73.76,79.89 73.65,79.81 73.53,79.74 73.39,79.69 73.22,79.66 73.01,79.65
top_row on Top: 36.63,66.94 36.61,66.74 36.58,66.57 36.53,66.44 36.46,66.32 36.38,66.22 36.21,66.02 36.12,65.9 36.03,65.76 35.95,65.6 36.8,64.82 37.55,65.7 37.45,65.85 37.35,65.97 37.25,66.08 37.16,66.17 37.07,66.26 36.99,66.35 36.92,66.46 36.87,66.59 36.84,66.75 36.83,66.94

Small or netless copper shapes (teardrops, artwork), in the pictures only: 86 on Top, 21 on Bottom
